# Altium PCB Coral Dev Board Micro.PcbDoc (part 3 of 6) (continued)
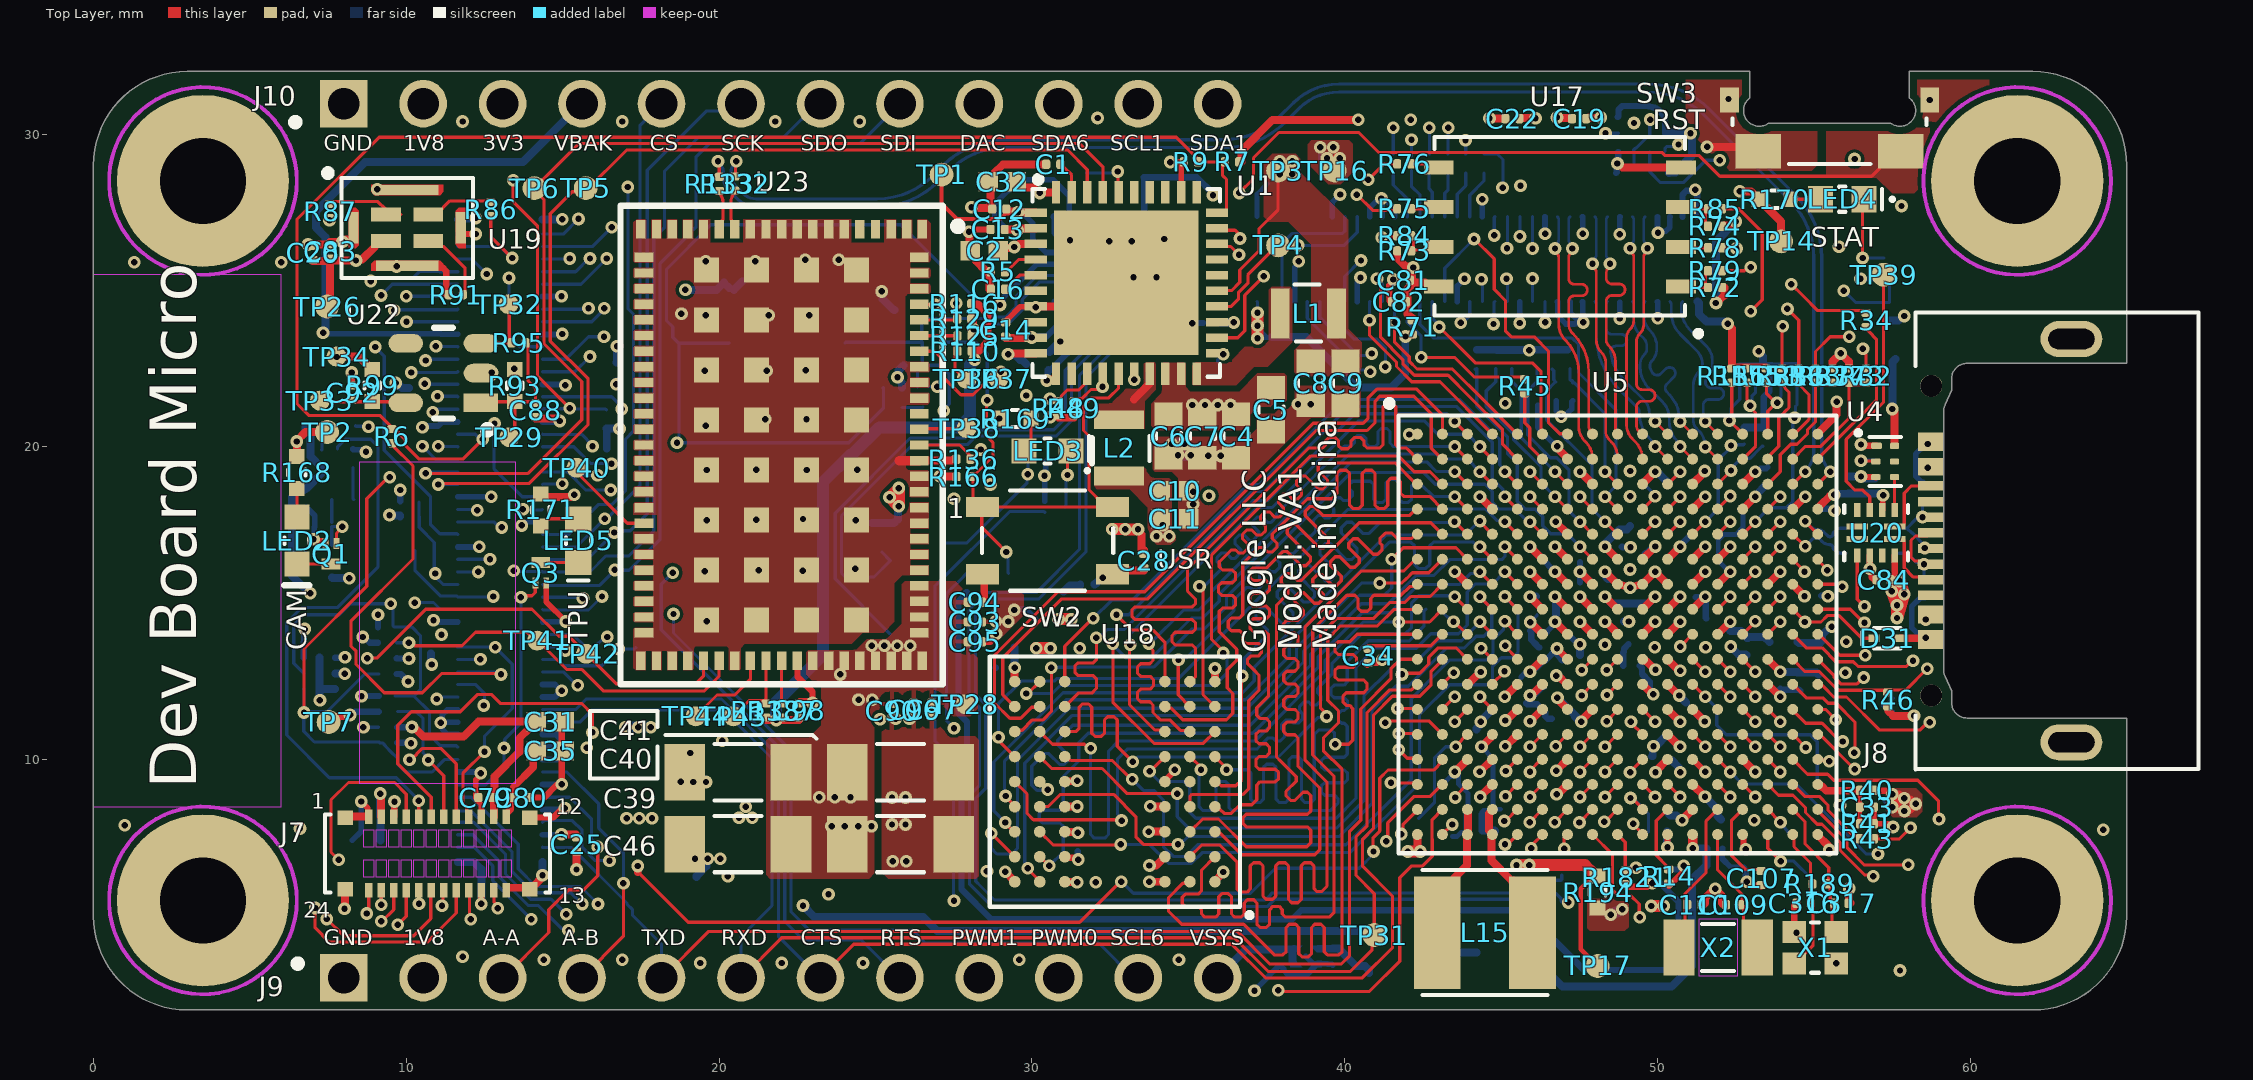
[diagram p0: Top Layer view]
## Nets (pads, with @x,y where several pads share a name; then routed paths per layer and width w, separated by ;. In a path a pad name is that pad's centre, name@x,y a point inside that pad or via, vN(x,y) a via of type N, cw(c..) or ccw(c..) an arc to the next point about the centre after c; other vN are vias at no path point) (continued)
  Bottom Layer w0.102: J5.1@11.645,7.2 12.17,7.2 12.766,6.604 12.766,6.132 v1(13.995,4.902)
FlexSPI_A_CLK: R75.1 U5.G14 | length 26.4
  Top Layer w0.102: v1(40.386,28.062) 40.391,28.062 40.894,27.559 41.551,27.559 R75.1@41.602,27.61 ; U5.G14@52.722,15.608 v1(53.122,16.008)
  L3 w0.102: v1(40.386,28.062) 39.842,27.518 39.842,23.785 40.264,23.363 41.051,23.363 42.062,22.352 42.516,22.352 42.775,22.611 44.269,22.611 44.457,22.423 50.446,22.423 51.911,20.958 51.911,19.189 51.91,19.188 51.91,17.419 52.133,17.196 53.273,17.196 53.503,16.966 53.503,16.389 v1(53.122,16.008)
FlexSPI_A_D0: R76.1 U5.F15 | length 25.1
  Top Layer w0.102: v1(40.754,28.537) 41.262,29.045 R76.1@41.602,29.045 ; U5.F15@53.522,16.408 v1(53.922,16.808)
  L3 w0.102: v1(40.754,28.537) 40.767,28.524 40.767,27.61 40.147,26.99 40.147,24.064 40.543,23.668 41.178,23.668 41.757,23.089 42.093,23.089 42.22,23.216 42.647,23.216 42.926,22.936 44.425,22.936 44.628,22.733 50.952,22.733 52.756,20.93 52.756,18.212 52.959,18.009 53.224,18.009 53.478,17.755 53.478,17.439 53.864,17.053 53.864,16.866 v1(53.922,16.808)
FlexSPI_A_D1: R78.1 U5.H15 | length 15.9
  Top Layer w0.102: R78.1@52.137,26.365 52.149,26.352 52.514,26.352 v1(52.527,26.34) ; U5.H15@53.522,14.808 v1(53.922,15.208)
  L3 w0.102: v1(52.527,26.34) 53.721,26.34 54.737,25.324 54.737,23.027 56.083,21.681 56.083,20.979 55.895,20.79 55.895,18.855 56.017,18.733 56.017,17.324 55.778,17.086 55.778,15.899 55.5,15.621 54.335,15.621 v1(53.922,15.208)
FlexSPI_A_D2: R85.1 U5.H14 | length 16.1
  Top Layer w0.102: R85.1@52.098,27.61 52.598,27.61 53.35,26.858 53.35,24.704 v1(52.979,24.333) ; U5.H14@52.722,14.808 v1(53.122,15.208)
  L3 w0.102: v1(52.979,24.333) 52.979,23.841 54.94,21.88 54.94,20.698 53.924,19.682 53.924,18.909 54.331,18.502 54.331,15.914 54.012,15.596 53.51,15.596 v1(53.122,15.208)
FlexSPI_A_D3: R84.1 U5.F16 | length 25.2
  Top Layer w0.102: v1(41.187,26.689) 41.216,26.718 41.574,26.718 R84.1@41.602,26.746 ; U5.F16@54.322,16.408 54.322,16.398 54.699,16.021 v1(54.699,16.01)
  L3 w0.102: v1(41.187,26.689) 42.704,26.689 43.383,26.01 43.383,25.316 43.721,24.978 49.988,24.978 50.603,25.593 52.28,25.593 53.442,24.432 53.442,23.666 55.143,21.965 55.143,20.614 54.331,19.801 54.331,19.025 54.508,18.847 54.786,18.847 55.08,18.553 55.08,16.391 v1(54.699,16.01)
FlexSPI_A_SS0: R79.1 U5.F17 | length 12.4
  Top Layer w0.102: R79.1@52.137,25.629 52.78,25.629 52.897,25.745 v1(52.979,25.745) ; U5.F17@55.122,16.408 55.122,16.381 55.423,16.08 v1(55.423,16.053)
  L3 w0.102: v1(52.979,25.745) 53.884,24.841 54.224,24.841 54.534,24.531 54.534,22.861 55.347,22.049 55.347,20.53 55.166,20.35 55.166,18.754 55.283,18.637 55.283,17.768 55.423,17.628 v1(55.423,16.053)
GND: C1.1 C2.2 C3.2 C4.2 C5.2 C6.2 C7.2 C8.2 C9.2 C10.2 C11.2 C12.2 C13.2 C14.2 C15.2 C16.2 C17.2 C18.2 C19.2 C20.2 C21.2 C22.2 C23.2 C24.2 C25.2 C26.2 C27.2 C28.2 C29.2 C30.2 C31.2 C32.2 C33.2 C34.2 C35.2 C36.2 C37.2 C38.2 C39.2 C40.2 C41.2 C42.2 C43.2 C44.2 C45.2 C46.2 C57.2 C61.2 C62.2 C63.2 C67.2 C74.2 C79.2 C80.2 C81.2 C82.2 C83.2 C84.2 C85.2 C87.2 C88.2 C90.2 C91.2 C92.2 C93.2 C94.2 C95.2 C96.2 C97.2 C98.2 C102.2 C107.2 C109.2 C110.2 C115.2 C117.2 C118.2 C119.2 C124.2 C136.2 C138.2 C223.2 C224.2 C233.2 C234.2 C235.2 C239.2 C241.2 C242.2 C244.2 C245.2 C251.2 C252.2 C254.2 C256.2 C257.2 C258.2 C260.2 C261.2 C264.2 C265.2 C266.2 C267.2 C268.2 C269.2 C270.2 C272.2 C273.2 C276.2 C277.2 C279.2 C280.2 C285.2 C286.2 C287.2 C290.2 C293.2 C294.2 C296.2 C297.2 C300.2 C302.2 C303.2 C304.2 C305.2 C316.1 C317.2 C327.2 C345.2 C347.2 C348.2 D31.A ESD1.1 ESD2.1 J5.4 J5.8 J5.12 J5.13 J5.16 J5.18 J5.19 J5.20 J5.21 J5.23 J5.26 J5.28 J5.37 J5.38 J5.49 J5.54 J5.57 J5.69 J5.70 J5.76 J5.84 J5.90 J5.99 J5.MH1 J5.MH2 J5.MH3 J5.MH4 J6.7 J6.9 J6.11 J6.15 J6.17 J6.38 J6.43 J6.48 J6.49 J6.51 J6.53 J6.64 J6.67 J6.74 J6.77 J6.80 J6.82 J6.83 J6.84 J6.89 J6.90 J6.95 J6.96 J6.97 J6.99 J6.MH1 J6.MH2 J6.MH3 J6.MH4 J7.1 J7.3 J7.10 J7.13 J7.15 J7.MH1 J7.MH2 J7.MH3 J7.MH4 J8.1 J8.12 J8.SH1 J8.SH2 J9.1 J10.1 Q1.2 Q2.2 Q3.2 Q4.2 Q10.2 R5.1 R9.1 R11.1 R14.2 R17.1 R27.1 R38.1 R39.1 R41.1 R91.1 R125.1 R129.1 R135.1 R136.1 R151.2 R152.2 R153.2 R154.2 R155.2 R156.2 R157.2 R158.2 R159.2 R160.2 R161.2 R162.2 R163.1 R164.1 R398.1 SW1.3 SW1.6 SW2.3 SW2.4 SW3.2 SW3.SH U1.7 U1.32 U1.41 U2.2 U2.5 U3.3 U4.3 U5.A1 U5.A17 U5.B7 U5.C8 U5.C10 U5.C12 U5.C14 U5.D4 U5.F11 U5.F12 U5.F13 U5.G3 U5.G7 U5.G8 U5.G9 U5.G10 U5.G11 U5.G15 U5.H7 U5.H11 U5.J7 U5.J11 U5.K6 U5.K7 U5.K11 U5.L3 U5.L6 U5.L10 U5.L11 U5.L15 U5.P4 U5.P14 U5.R4 U5.R7 U5.T12 U5.U1 U5.U17 U6.A1 U6.A2 U6.C2 U10.4 U13.4 U14.4 U17.4 U18.A1 U18.A3 U18.B7 U18.C3 U18.D7 U18.E3 U18.J1 U19.5 U19.6 U19.7 U19.8 U20.10 U21.2 U21.5 U22.2 U23.1 U23.2 U23.3 U23.6 U23.7 U23.8 U23.9 U23.10 U23.11 U23.12 U23.15 U23.16 U23.17 U23.18 U23.19 U23.20 U23.21 U23.22 U23.23 U23.24 U23.25 U23.26 U23.27 U23.28 U23.29 U23.30 U23.31 U23.32 U23.33 U23.34 U23.35 U23.36 U23.38 U23.39 U23.40 U23.41 U23.42 U23.43 U23.44 U23.45 U23.46 U23.47 U23.48 U23.51 U23.55 U23.68 U23.69 U23.70 U23.71 U23.72 U23.73 U23.74 U23.75 U23.79 U23.80 U23.81 U23.86 U23.87 U23.88 U23.89 U23.90 U23.91 U23.92 U23.93 U23.94 U23.95 U23.96 U23.97 U23.98 U23.99 U23.100 U23.101 U23.102 U23.103 U23.104 U23.105 U23.106 U23.107 U23.108 U23.109 U23.110 U23.111 U23.112 U23.113 U23.114 U23.115 U23.116 U23.117 U23.118 U23.119 U23.120 X1.2 X1.4 | length 209.7
  Top Layer w0.178: v1(7.036,17.043) 7.098,17.043 7.149,16.992 7.413,16.992 7.42,16.986 Q1.2@7.42,16.906 ; v1(8.56,8.661) 8.769,8.452 8.769,8.214 8.793,8.191 J7.1@8.779,8.177 ; C79.2@12.227,8.788 12.227,9.356 12.38,9.509 v1(12.38,9.571) ; C79.2@12.287,8.677 12.4,8.564 J7.10@12.4,8.175 ; v1@13.691,17.426 v1(13.691,17.488) ; Q3.2@14.475,15.652 14.475,15.044 v1(15.102,14.417) ; 25.717,19.571 25.743,19.571 25.755,19.558 ; C14.2@29.159,24.019 29.189,24.019 29.23,24.06 29.23,24.09 29.619,24.479 30.084,24.479 U1.7@30.095,24.49 ; v1(34.422,29.103) v1@34.427,29.098 ; v1@34.466,29.06 v1@34.427,29.098 ; U1.32@34.77,28.14 34.776,28.146 34.776,29.102 34.78,29.106 34.435,29.106 v1@34.427,29.098 ; U5.L3@43.922,12.408 U5.L3@43.938,12.408 ; v1@44.332,12.802 v1(44.348,12.802) ; v1(52.27,31.118) 52.293,31.095 SW3.SH@52.3,31.095 ; R156.2@52.375,22.576 R153.2@53.48,22.576 ; R41.1@56.918,7.95 56.921,7.954 56.921,8.48 C33.2@56.918,8.484 ; R41.1@56.993,7.95 57.368,7.95 57.469,7.849 v1(57.531,7.849) ; v1(58.643,20.091) J8.12@58.643,20.187 ; v1(58.699,31.09) SW3.SH@58.7,31.095
  Top Layer w0.19: v1(14.961,7.615) v1@14.973,7.602 ; C25.2@15.431,7.602 C25.2@15.443,7.59
  Top Layer w0.203: v1(8.255,22.377) 8.261,22.371 8.261,22.009 C92.2@8.268,22.003 ; J7.3@9.6,8.175 9.612,8.187 9.612,8.647 v1(9.624,8.659) ; U19.8@10.5,25.787 10.554,25.734 11.163,25.734 11.282,25.615 R91.1@11.282,24.867 ; U19.7@11.743,27 11.743,26.863 11.803,26.802 v1(12.223,26.802) ; U22.2@12.383,22.358 12.719,22.358 v1(12.738,22.377) ; v1@12.4,5.389 J7.15@12.4,5.8 ; J7.MH4@13.95,8.145 13.953,8.148 14.697,8.148 14.956,8.407 15.034,8.407 v1(15.071,8.444) ; C80.2@13.965,8.788 14.407,8.788 14.795,9.176 14.927,9.176 v1(14.966,9.215) 14.966,11.126 C31.2@15.053,11.214 ; U23.55@22.5,13.158 22.509,13.15 22.509,12.653 22.987,12.175 v1(22.987,11.811) ; v1(26.086,11.303) C96.2@26.216,11.303 ; C96.2@26.216,11.376 C96.2@26.223,11.368 ; C97.2@26.787,11.368 C97.2@26.794,11.376 ; v1@28.02,26.847 28.085,26.912 28.161,26.912 28.198,26.949 C13.2@28.632,26.949 ; R129.1@28.138,24.092 28.141,24.089 28.141,23.751 28.145,23.747 28.145,23.547 R125.1@28.146,23.546 ; C95.2@28.402,13.767 28.677,13.767 28.677,13.788 28.854,13.966 v1(28.854,14.021) ; v1@29.223,14.389 v1(29.248,14.414) ; U18.B7@31.052,6.897 31.084,6.865 31.368,6.865 31.428,6.805 v1(31.483,6.805) ; U18.E3@34.252,9.297 34.252,9.328 34.569,9.646 v1(34.569,9.677) ; C34.2@40.719,13.03 40.777,13.088 41.024,13.088 41.09,13.154 41.165,13.154 v1(41.204,13.193) ; C82.2@41.462,24.638 41.434,24.666 41.434,24.809 41.427,24.815 41.427,25.162 41.554,25.289 v1(41.554,25.349) ; v1(46.787,13.553) 47.122,13.218 U5.K7@47.122,13.208 ; R14.2@50.355,5.969 50.38,5.969 50.8,6.388 ; v1(52.857,6.096) 52.912,6.096 53.036,5.973 53.288,5.973 C107.2@53.316,5.944 ; X1.4@54.367,4.488 C316.1@54.366,5.41 ; X1.4@54.47,4.508 54.491,4.488 54.494,4.488 X1.4@54.493,4.489 ; v1(55.717,3.488) X1.2@55.844,3.488 ; v1(56.504,19.05) 56.52,19.034 56.975,19.034 U4.3@56.977,19.033 ; U20.10@56.785,16.525 56.787,16.523 56.787,16.111 v1(56.794,16.104) 56.794,16.049 56.853,15.99 56.853,15.821 C84.2@56.926,15.748
  Top Layer w0.254: v1(6.858,26.467) 6.862,26.47 C83.2@7.414,26.47 ; C83.2@7.563,26.546 7.568,26.551 7.958,26.551 v1(7.963,26.556) 8.004,26.556 8.075,26.627 8.281,26.627 8.317,26.662 U19.5@8.317,27 ; v1(8.025,5.231) 8.037,5.243 8.037,5.842 J7.MH1@8.05,5.855 ; J7.MH2@8.05,8.145 8.082,8.177 J7.1@8.779,8.177 ; v1(9.068,28.232) 10.48,28.232 U19.6@10.5,28.212 ; v1(9.69,25.768) 9.643,25.768 9.663,25.787 U19.8@10.5,25.787 ; J7.13@13.217,5.898 J7.MH3@13.967,5.905 ; J7.MH3@13.965,5.855 14.073,5.963 14.324,6.214 14.324,6.272 v1(14.353,6.301) ; C88.2@14.13,20.904 C88.2@14.162,20.904 ; C88.2@14.163,20.904 14.792,20.904 14.869,20.828 v1(14.91,20.828) ; v1@14.973,7.602 C25.2@15.431,7.602 ; U23.110@21.2,24.058 21.2,24.121 U23.110@21.336,24.257 ; C98.2@22.583,11.84 22.958,11.84 v1(22.987,11.811) ; v1(22.758,25.984) 22.758,25.701 U23.90@22.8,25.658 ; U23.109@22.8,24.058 22.8,24.197 U23.109@22.885,24.282 ; U23.68@26.4,16.058 U23.68@26.423,16.035 ; U23.75@26.4,19.558 27.484,19.558 27.513,19.588 R136.1@27.513,19.609 ; v1(27.991,26.873) 28.007,26.857 28.007,26.387 28.206,26.188 28.206,25.946 28.535,25.618 28.608,25.618 28.61,25.616 R5.1@28.61,25.595 ; v1(28.067,27.661) 28.092,27.635 28.346,27.635 28.683,27.635 28.683,28.398 C32.2@28.608,28.473 28.791,28.656 28.791,28.74 29.083,29.032 C1.1@30.413,29.032 ; SW2.3@28.425,15.925 28.476,15.874 28.476,15.215 ; R5.1@28.61,25.523 28.645,25.489 C16.2@28.645,25.036 ; v1(30.124,24.46) 30.124,24.485 U1.7@30.12,24.49 U1.41@32.27,24.49 ; v1(30.911,23.368) 31.148,23.368 U1.41@32.27,24.49 ; U18.D7@31.052,8.497 31.058,8.502 v1(31.452,8.502) v1@31.496,8.458 ; v1(32.262,15.812) 32.278,15.828 32.478,15.828 32.703,16.053 C28.2@33.579,16.053 ; U1.41@33.02,25.24 U1.41@32.27,24.49 ; U1.41@33.274,25.24 32.524,24.49 U1.41@32.27,24.49 ; v1(33.737,7.697) U18.C3@34.252,7.697 ; v1(33.757,6.096) U18.A3@34.256,6.096 ; U18.A3@34.252,6.097 U18.A3@34.255,6.097 ; C6.2@34.379,19.71 34.404,19.736 v1(34.671,19.736) ; v1(35.077,19.736) 35.333,19.736 35.358,19.71 v1(35.636,19.71) ; v1(35.154,18.161) 35.124,18.19 35.124,18.481 C10.2@35.012,18.593 35.153,18.593 35.154,18.592 v1(35.154,18.567) ; U18.A1@35.852,6.097 35.827,6.097 36.119,6.388 v1(36.119,6.407) ; U18.J1@35.852,12.497 v1(35.852,12.916) ; v1(38.506,21.361) 38.52,21.348 C8.2@38.899,21.348 ; C8.2@38.913,21.335 v1(38.913,21.361) ; v1(42.062,20.396) 42.068,20.402 42.316,20.402 U5.A1@42.322,20.408 ; U5.U1@42.322,7.608 42.322,7.198 42.418,7.102 v1(42.418,7.061) ; v1(43.522,16.008) U5.G3@43.922,15.608 ; U5.L3@43.938,12.408 v1@44.332,12.802 ; v1(44.312,9.614) 44.32,9.614 44.714,10.008 U5.P4@44.722,10.008 ; v1(44.322,18.408) U5.D4@44.722,18.008 ; v1(44.336,8.805) 44.336,8.822 U5.R4@44.722,9.208 ; v1(44.628,30.505) 44.634,30.499 45.053,30.499 C22.2@45.06,30.493 ; v1(45.922,12.808) U5.K6@46.322,13.208 ; v1(45.923,12.052) 45.966,12.052 U5.L6@46.322,12.408 ; v1(46.722,14.408) U5.J7@47.122,14.008 ; v1(46.722,15.208) U5.H7@47.122,14.808 ; v1(46.722,16.008) U5.G7@47.122,15.608 ; v1(46.774,8.89) 46.804,8.89 U5.R7@47.122,9.208 ; v1(46.787,30.531) 46.806,30.512 47.174,30.512 C19.2@47.193,30.493 ; v1(46.797,20.015) 46.826,19.986 46.826,19.93 47.122,19.634 U5.B7@47.122,19.608 ; v1(47.522,16.008) U5.G8@47.922,15.608 ; v1(47.522,19.208) U5.C8@47.922,18.808 ; v1(48.322,16.008) U5.G9@48.722,15.608 ; U5.G9@48.717,15.621 48.725,15.618 v1(49.124,15.494) 49.519,15.618 U5.G10@49.53,15.621 ; v1(48.718,29.057) 48.759,29.057 48.886,28.931 U17.4@50.752,28.931 ; U5.L10@49.522,12.408 49.84,12.09 v1(49.86,12.09) ; U5.G10@49.522,15.608 v1(49.922,16.008) U5.G11@50.322,15.608 ; U5.C10@49.522,18.808 v1(49.922,19.208) ; U5.L11@50.322,12.408 50.678,12.052 v1(50.694,12.052) ; U5.K11@50.322,13.208 50.69,12.84 v1(50.724,12.84) ; U5.J11@50.322,14.008 v1(50.722,14.408) ; U5.H11@50.322,14.808 v1(50.722,15.208) ; U5.F11@50.322,16.408 v1(50.722,16.808) ; v1(50.785,8.066) 50.785,8.069 51.104,8.387 U5.T12@51.117,8.387 ; U5.F12@51.122,16.408 v1(51.522,16.808) ; U5.C12@51.122,18.808 51.511,19.197 v1(51.511,19.228) ; C110.2@51.478,5.367 51.526,5.415 51.526,5.577 51.816,5.867 v1(51.841,5.867) 52.065,5.644 52.065,5.415 C109.2@52.113,5.367 ; v1(51.585,29.588) 51.587,29.591 SW3.2@53.141,29.591 ; U5.F13@51.922,16.408 v1(52.322,16.808) ; v1(52.248,23.932) 52.248,23.911 52.375,23.784 R156.2@52.375,22.576 ; U5.P14@52.722,10.008 v1(53.122,9.608) ; U5.C14@52.722,18.808 v1(53.122,19.208) ; U5.L15@53.522,12.408 v1(53.922,12.008) ; U5.G15@53.522,15.608 v1(53.922,16.008) ; U5.U17@55.122,7.608 55.122,7.582 55.465,7.239 55.465,7.141 v1(55.494,7.112) ; U5.A17@55.122,20.408 55.122,20.43 55.728,21.036 v1(55.728,21.438) ; v1(56.132,5.878) 56.127,5.873 56.127,5.458 C317.2@56.175,5.41 ; D31.A@57.761,13.881 58.56,13.881 v1(58.572,13.894)
  Top Layer w0.305: 25.755,19.558 U23.75@26.4,19.558
  Top Layer w0.381: v1(42.012,7.061) v1(42.418,7.061) ; v1(49.797,5.321) 49.802,5.326 v1@50.144,5.326
  L4 w0.381: v1(18.771,9.296) 19.177,9.29 v1(19.583,9.284) ; v1(19.228,6.833) v1(19.634,6.833) v1(20.041,6.833) ; 23.724,6.756 23.19,6.223 22.733,6.223 23.266,6.756 v1(25.984,6.756) ; v1(20.637,8.141) v1(21.057,8.141) 20.953,8.321 v1(20.853,8.496) 20.75,8.327 v1(20.637,8.141)
  L3 w0.254: v1(28.842,14.427) 29.136,14.603 v1(29.439,14.783) ; v1(28.854,14.021) v1(29.248,14.414)
  L3 w0.381: v1(18.771,9.296) 19.177,9.29 v1(19.583,9.284) ; v1(19.228,6.833) v1(19.634,6.833) v1(20.041,6.833) ; v1(28.854,14.021) v1(28.842,14.427) v1(29.248,14.414) v1(29.439,14.783) ; v1(35.154,18.161) v1(35.154,18.567) ; v1(35.636,19.71) v1(36.043,19.71) ; v1(38.506,21.361) v1(38.913,21.361) ; v1(42.012,7.061) v1(42.418,7.061) ; v1(49.797,5.321) v1(50.203,5.321) ; v1(20.637,8.141) v1(21.057,8.141) 20.953,8.321 v1(20.853,8.496) 20.75,8.327 v1(20.637,8.141) ; v1(34.468,20.091) v1(34.874,20.091) 34.977,19.911 v1(35.077,19.736) v1(34.671,19.736) 34.568,19.916 v1(34.468,20.091)
  L6 w0.254: v1@28.804,14.453 28.823,14.463 29.138,14.626 v1(29.439,14.783) ; v1@28.842,13.983 28.842,14.008 v1(28.854,14.021) v1(29.248,14.414)
  L6 w0.381: v1(18.771,9.296) 19.177,9.29 v1(19.583,9.284) ; v1(19.228,6.833) v1(19.634,6.833) v1(20.041,6.833) ; v1(25.146,11.29) 25.151,11.295 25.629,11.295 25.637,11.303 v1(25.644,11.303) v1(26.086,11.303) ; v1(28.854,14.021) v1(28.842,14.427) v1(29.248,14.414) v1(29.439,14.783) ; v1(35.154,18.161) v1(35.154,18.567) ; v1(35.636,19.71) v1(36.043,19.71) ; v1(38.506,21.361) v1(38.913,21.361) ; v1(42.012,7.061) v1(42.418,7.061) ; v1(49.797,5.321) v1(50.203,5.321) ; v1(34.468,20.091) v1(34.874,20.091) ; v1(34.468,20.091) v1@34.473,20.083 ; v1(34.468,20.091) 34.473,20.087 v1@34.473,20.083 ; v1@34.473,20.083 34.568,19.916 34.662,19.752 v1(34.671,19.736) v1(35.077,19.736) ; v1(34.874,20.091) v1@34.879,20.083 ; v1(34.874,20.091) 34.879,20.087 v1@34.879,20.083 ; v1@34.879,20.083 34.977,19.911 v1@35.068,19.752 ; v1@34.879,20.083 34.879,19.941 v1@35.068,19.752 ; v1@35.068,19.752 35.077,19.743 v1(35.077,19.736) ; v1@35.068,19.752 v1(35.077,19.736) ; v1(20.637,8.141) v1(21.057,8.141) 20.953,8.321 v1(20.853,8.496) 20.75,8.327 v1(20.637,8.141)
  L5 w0.381: v1(18.771,9.296) 19.564,9.296 19.577,9.284 v1(19.583,9.284) ; v1(38.506,21.361) v1(38.913,21.361) ; v1(49.797,5.321) v1(50.203,5.321) ; v1@28.847,14.422 29.233,14.422 29.241,14.414 v1(29.248,14.414) ; v1@28.847,14.422 28.847,14.036 28.854,14.028 v1(28.854,14.021) v1(29.248,14.414) ; v1@28.847,14.422 v1(28.842,14.427) 29.136,14.603 v1(29.439,14.783) ; v1(29.248,14.414) v1@29.253,14.424 ; v1(29.248,14.414) 29.253,14.419 v1@29.253,14.424 ; v1@29.253,14.424 v1@29.431,14.769 ; v1@29.253,14.424 29.253,14.59 v1@29.431,14.769 ; v1@29.431,14.769 v1(29.439,14.783) ; v1@29.431,14.769 29.439,14.776 v1(29.439,14.783)
  Bottom Layer w0.076: Q4.2@26.69,21.92 v1(26.975,21.92) ; v1(29.82,21.641) C3.2@29.82,21.699 ; C252.2@56.109,19.044 C252.2@56.115,19.05
  Bottom Layer w0.178: C37.2@6.782,18.069 6.807,18.069 7.08,17.796 7.08,17.45 7.058,17.428 7.058,17.066 v1(7.036,17.043) ; C29.2@8.269,7.417 8.565,7.712 8.565,8.204 8.562,8.207 8.562,8.659 v1(8.56,8.661) ; U3.3@8.298,19.934 8.298,19.924 8.309,19.913 8.574,19.913 8.65,19.837 v1(8.712,19.837) ; v1(10.871,14.453) 10.933,14.453 10.986,14.4 11.639,14.4 J5.37@11.642,14.403 ; v1(11.1,11.176) 11.144,11.132 11.144,10.98 11.317,10.806 11.639,10.806 J5.19@11.645,10.8 ; J5.21@11.645,11.2 11.639,11.194 11.118,11.194 11.144,11.22 11.144,11.423 11.314,11.594 11.639,11.594 J5.23@11.645,11.6 ; J5.57@11.645,18.4 12.653,18.4 12.713,18.34 v1(12.713,18.402) ; v1(13.691,17.488) 13.752,17.488 13.864,17.599 J5.54@14.354,17.599 ; J5.38@14.356,14.401 14.361,14.406 15.092,14.406 v1(15.102,14.417) ; Q2.2@30.409,18.26 30.406,18.262 30.406,19.073 v1(30.404,19.075) 30.444,19.115 30.444,19.522 R39.1@30.48,19.558 ; C15.2@30.531,23.028 C15.2@30.561,23.028 ; v1@30.9,23.368 v1(30.911,23.368) ; v1@32.398,26.654 32.398,27.353 J6.7@32.4,27.355 ; v1(32.474,26.568) 32.525,26.568 32.8,26.844 J6.9@32.8,27.355 ; J6.15@34,27.355 33.998,27.353 33.998,26.863 34.152,26.709 v1@34.227,26.709 ; v1@34.227,26.687 v1(34.227,26.645) 34.404,26.822 34.404,27.351 J6.17@34.4,27.355 ; v1(35.128,23.952) 35.135,23.959 35.474,23.959 C17.2@35.481,23.965 ; v1(37.116,2.616) 37.521,3.021 37.521,3.032 37.892,3.404 37.952,3.404 38.044,3.311 38.044,3.269 38.189,3.124 38.786,3.124 U2.2@39.13,3.468 ; J6.38@38.4,24.645 38.4,25.74 38.532,25.872 v1(38.532,25.933) ; U2.5@38.76,3.708 39,3.468 U2.2@39.13,3.468 ; U2.2@39.14,3.468 U2.2@39.13,3.468 ; J6.43@39.6,27.355 39.606,27.361 39.606,27.821 v1(39.853,28.067) ; C21.2@39.624,3.422 39.583,3.464 39.454,3.464 39.449,3.468 U2.2@39.13,3.468 ; J6.48@40.4,24.645 40.4,25.245 40.503,25.348 v1(40.503,25.41) ; J6.49@40.8,27.355 40.806,27.361 40.806,27.649 41.053,27.896 41.13,27.896 v1(41.173,27.94) ; J6.51@41.2,27.355 41.2,27.914 v1(41.173,27.94) ; v1(41.554,25.349) v1@41.554,25.411 ; J6.53@41.6,27.355 41.594,27.361 41.594,27.596 41.562,27.628 41.562,27.641 41.306,27.896 41.217,27.896 v1(41.173,27.94) ; J6.64@43.6,24.645 43.6,25.147 v1(43.828,25.375) ; J6.67@44.4,27.355 v1(44.4,27.914) ; v1(45.598,23.957) J6.74@45.599,24.644 ; C102.2@45.64,12.64 v1@45.764,12.764 ; 46.167,21.333 46.167,20.625 46.777,20.015 v1(46.797,20.015) ; J6.77@46.4,27.355 46.403,27.352 46.403,26.813 v1(46.406,26.81) ; C265.2@46.473,14.072 46.473,14.102 46.722,14.351 v1(46.722,14.408) ; v1(46.722,15.208) C235.2@46.757,15.173 ; C345.2@46.752,14.63 C345.2@46.757,14.635 ; R159.2@46.761,21.473 46.761,21.156 46.861,21.056 46.861,21.023 v1(46.919,20.965) 46.963,21.009 47.054,21.009 47.253,21.208 47.253,21.437 47.285,21.468 R162.2@47.285,21.473 ; J6.80@46.8,24.645 46.806,24.639 46.806,24.192 47.071,23.927 47.333,23.927 47.34,23.934 v1@47.567,23.934 ; J6.82@47.2,24.645 47.206,24.639 47.206,24.295 v1@47.567,23.934 ; v1@47.574,23.927 v1@47.567,23.934 ; J6.84@47.6,24.645 47.606,24.639 47.606,23.996 v1(47.625,23.978) ; J6.83@47.6,27.355 47.603,27.352 47.603,26.813 v1(47.606,26.81) ; v1@47.625,23.916 v1(47.625,23.978) ; v1(48.793,24.105) 48.797,24.108 48.797,24.623 J6.90@48.794,24.626 ; v1(48.793,26.797) 48.797,26.8 48.797,27.352 J6.89@48.8,27.355 ; J6.96@50,24.645 50.003,24.642 50.003,24.114 v1(50.006,24.111) ; J6.95@50,27.355 50,26.863 v1(50.014,26.849) 50.053,26.887 50.262,26.887 50.393,27.019 50.393,27.348 J6.97@50.4,27.355 ; C302.2@52.077,7.163 52.077,7.098 52.07,7.092 52.07,6.833 52.349,6.553 52.753,6.553 C305.2@52.768,6.537 ; v1(53.122,19.208) 53.184,19.208 53.283,19.307 53.481,19.307 C242.2@53.522,19.348 ; v1(56.49,25.375) Q10.2@57.054,25.375 ; ESD1.1@58.496,18.861 58.451,18.861 58.249,19.063 58.249,19.766 58.53,20.048 58.537,20.048 v1@58.643,20.153 ; C85.2@58.511,13.899 58.425,13.985 58.355,13.985 58.121,14.219 58.121,14.895 58.4,15.174 ESD2.1@58.547,15.174 ; v1@47.567,23.934 47.581,23.934 v1(47.625,23.978)
  Bottom Layer w0.19: v1(10.516,20.625) 10.554,20.664 11.016,20.664 11.15,20.798 11.352,20.798 11.354,20.8 J5.69@11.645,20.8 ; J5.13@11.645,9.6 12.351,9.6 v1(12.38,9.571) ; J5.99@11.645,26.8 v1@12.22,26.8 ; J5.49@11.646,16.801 v1(12.332,16.802) ; J5.4@14.355,7.6 14.946,7.6 v1(14.961,7.615) ; J5.8@14.355,8.4 15.027,8.4 v1(15.071,8.444) ; J5.12@14.355,9.2 v1@14.951,9.2 ; J5.16@14.355,10 14.825,10 14.99,10.165 v1@14.99,10.342 ; J5.18@14.355,10.4 14.932,10.4 v1@14.99,10.342 ; J5.20@14.355,10.8 14.798,10.8 14.99,10.608 14.99,10.359 14.999,10.351 v1@14.99,10.342 ; J5.26@14.355,12 14.743,12 v1@14.948,12.205 ; J5.28@14.355,12.4 14.753,12.4 v1@14.948,12.205 ; J5.70@14.355,20.8 14.882,20.8 v1(14.91,20.828) ; J5.76@14.355,22 14.362,21.993 15.065,21.993 v1(15.088,21.971) ; J5.84@14.355,23.6 J5.84@14.355,23.6 14.975,23.598 v1(14.986,23.609) ; J5.90@14.355,24.8 14.945,24.8 v1(14.961,24.816) ; v1(14.973,12.205) v1@14.948,12.205
  Bottom Layer w0.203: U6.A2@6.722,13.259 U6.A1@6.722,13.759 6.731,13.768 6.731,14.148 v1(6.756,14.173) ; U6.C2@7.722,13.259 7.726,13.255 v1@7.933,13.255 ; v1(8.57,12.024) 8.58,12.035 9.114,12.035 U13.4@9.116,12.036 ; v1(9.094,14.629) 9.096,14.627 9.096,14.239 U10.4@9.098,14.237 ; R38.1@9.804,18.263 v1(9.804,18.618) ; v1@12.22,26.8 v1(12.223,26.802) ; v1(12.332,16.802) v1(12.332,16.802) ; v1@14.951,9.2 v1(14.966,9.215) ; v1(28.562,6.43) 28.562,6.409 C223.2@28.584,6.387 ; C303.2@28.85,12.94 C303.2@28.851,12.941 ; v1(29.439,14.783) 29.464,14.808 29.8,14.808 C297.2@30.116,14.493 ; v1(30.124,24.46) 30.652,24.46 30.725,24.534 J6.MH2@30.725,24.645 ; C267.2@31.471,7.066 31.464,7.06 31.464,6.789 31.483,6.789 v1(31.483,6.805) ; v1(32.042,6.083) 32.05,6.083 C268.2@32.063,6.096 ; v1(33.198,26.568) 33.2,26.57 J6.11@33.2,27.355 ; C279.2@45.795,11.808 45.831,11.772 46.159,11.772 46.414,11.518 46.414,11.391 46.495,11.31 C138.2@46.622,11.31 ; v1(45.923,12.052) 45.962,12.091 46.093,12.091 46.334,12.332 C124.2@46.367,12.332 ; C241.2@46.208,13.059 C241.2@46.228,13.059 46.248,13.059 46.365,13.176 46.424,13.176 46.787,13.539 v1(46.787,13.553) 46.826,13.515 46.826,13.318 46.916,13.227 46.916,13.207 46.945,13.179 C273.2@46.965,13.179 ; C327.2@46.292,16.433 46.295,16.433 v1(46.722,16.008) v1(46.722,16.008) ; C266.2@47.14,13.982 47.173,13.982 47.372,13.783 47.376,13.783 47.468,13.691 v1(47.523,13.691) ; C67.2@47.523,15.668 R158.2@47.523,16.31 ; C74.2@48.214,13.727 48.294,13.727 48.323,13.698 v1(48.323,13.678) ; R27.1@48.671,28.753 48.695,28.776 48.695,29.034 48.741,29.08 48.741,29.424 U14.4@48.743,29.426 ; C119.2@48.862,16.808 48.869,16.815 48.894,16.789 v1(49.136,16.789) ; v1(49.124,15.494) C261.2@49.124,15.565 ; C269.2@49.428,13.005 49.502,12.931 49.502,12.738 49.746,12.493 49.746,12.204 v1(49.86,12.09) ; C293.2@50.33,6.458 50.358,6.486 50.661,6.486 50.784,6.609 v1(50.839,6.609) ; v1(50.722,16.808) 50.722,16.844 51.09,17.212 R152.2@51.121,17.212 ; J6.99@50.8,27.355 50.8,28.062 50.919,28.181 51.168,28.181 v1(51.206,28.219) 51.245,28.181 51.245,28.126 51.275,28.096 J6.MH3@51.275,27.355 ; C305.2@52.745,6.537 52.819,6.464 52.819,6.135 v1(52.857,6.096) ; C117.2@53.922,12.268 C117.2@53.95,12.24 ; C117.2@53.925,12.24 C348.2@54.496,12.24 ; C348.2@54.521,12.24 C348.2@54.559,12.202 ; C251.2@55.104,18.026 55.144,18.026 55.165,18.047 55.186,18.026 55.538,18.026 55.606,17.958 v1(55.661,17.958) ; C347.2@55.239,15.24 55.248,15.231 55.438,15.231 v1(55.447,15.221)
  Bottom Layer w0.254: R11.1@7.62,15.828 7.634,15.813 8.164,15.813 v1(8.179,15.799) ; J5.MH1@11.645,6.725 11.649,6.721 12.177,6.721 12.399,6.499 v1(12.399,5.389) ; J5.MH3@11.653,27.267 11.683,27.296 12.196,27.296 v1(12.217,27.318) ; J5.MH2@14.355,6.725 14.354,6.724 v1(14.353,6.301) ; J5.MH4@14.355,27.275 J5.MH4@14.355,27.275 14.919,27.274 14.95,27.242 v1@14.95,27.233 ; C24.2@16.726,22.69 16.732,22.696 16.732,23.209 v1(16.739,23.216) ; C45.2@19.069,10.204 v1(19.075,10.211) ; 19.274,6.248 19.274,6.273 19.605,6.605 v1@19.605,6.803 ; v1(25.2,24.968) 25.229,24.939 25.229,24.729 25.591,24.368 R164.1@25.603,24.368 ; v1@28.655,18.817 v1(28.677,18.796) ; C15.2@30.561,23.028 v1@30.9,23.368 ; J6.MH1@30.725,27.355 30.757,27.323 30.757,26.851 30.972,26.636 31.187,26.636 v1(31.217,26.607) ; C23.2@31.996,15.596 31.996,15.616 31.999,15.619 32.037,15.619 32.23,15.812 v1(32.262,15.812) ; C287.2@44.209,10.96 44.209,10.992 44.319,11.102 44.319,11.185 v1@44.378,11.243 ; v1(44.348,11.214) 44.348,11.236 44.595,11.483 C277.2@44.595,11.493 ; v1(45.922,12.808) 45.957,12.808 C241.2@46.208,13.059 ; C345.2@46.757,14.635 C235.2@46.757,15.173 ; C57.2@47.522,13.348 v1@47.522,13.689 ; v1(48.322,16.008) 48.351,15.979 48.351,15.855 48.365,15.842 48.365,15.817 48.413,15.769 C260.2@48.438,15.769 ; C62.2@48.925,14.411 49.082,14.411 v1(49.085,14.414) ; C296.2@49.822,10.109 49.845,10.109 49.847,10.112 49.847,10.401 49.902,10.456 49.964,10.456 50.292,10.784 C136.2@50.298,10.784 ; v1(49.922,19.208) 49.963,19.208 50.039,19.132 50.058,19.132 50.259,18.931 50.274,18.931 50.343,18.861 R151.2@50.346,18.861 ; C115.2@50.359,8.28 50.359,8.255 50.407,8.207 50.603,8.207 50.744,8.066 v1(50.785,8.066) 50.785,8.075 51.092,8.381 C300.2@51.092,8.39 ; C276.2@50.444,9.994 50.444,9.99 50.695,9.74 50.695,9.63 v1(50.724,9.601) ; v1@50.694,12.044 50.698,12.044 50.914,11.828 C258.2@50.914,11.824 ; J6.MH4@51.275,24.645 51.323,24.597 51.323,24.242 51.562,24.003 52.135,24.003 52.207,23.932 v1(52.248,23.932) ; C257.2@52.324,13.582 52.327,13.579 52.372,13.579 52.584,13.367 52.815,13.367 C245.2@52.84,13.342 ; C257.2@52.337,13.564 v1(52.337,13.614) ; C252.2@56.115,19.05 v1(56.504,19.05) 56.531,19.05 56.595,18.985 56.945,18.985 R17.1@56.947,18.983 ; C85.2@58.511,13.899 58.568,13.899 v1(58.572,13.894) ; v1(14.353,6.301) v1(14.353,6.301)
  Bottom Layer w0.381: v1(18.771,9.296) 19.558,9.296 v1@19.571,9.309 ; v1(34.468,20.091) v1@34.473,20.087 ; v1(35.154,18.161) v1(35.154,18.567) ; v1(35.636,19.71) v1(36.043,19.71) ; v1(38.506,21.361) v1(38.913,21.361) ; v1@34.473,20.087 34.478,20.091 v1(34.874,20.091) 34.879,20.087 34.879,19.941 35.077,19.743 v1(35.077,19.736) v1(34.671,19.736) 34.671,19.743 34.473,19.941 v1@34.473,20.087
  other v1: 57.75,3.261 19.4,3.5 22,3.5 24.6,3.5 14.4,3.6 16.9,3.6 29.6,3.6 34.7,3.6 11.8,3.7 54.445,4.47 23.5,5.7 20.282,6.274 25.552,6.756 64.25,7.761 6.6,7.8 1,7.9 25.527,7.925 25.959,7.925 25.527,8.788 25.959,8.788 19.177,9.284 15.011,10.363 49.873,10.427 8.039,13.271 19.609,14.427 19.545,16.027 21.273,16.053 22.669,16.04 24.348,16.104 19.6,17.658 24.374,17.658 21.184,17.666 22.682,17.691 27.508,18.339 19.6,19.258 21.184,19.266 22.8,19.258 24.422,19.266 19.571,20.676 21.476,20.879 22.796,20.879 45.131,21.392 19.545,22.428 21.526,22.428 22.771,22.454 28.143,23.749 19.571,24.206 21.59,24.206 22.885,24.206 18.796,24.257 33.249,25.425 33.985,25.425 1.3,25.9 6,25.9 19.571,25.933 21.158,25.933 23.825,25.984 55.8,26.4 14.989,27.272 57.8,27.7 45.618,28.346 56.3,29.2 11.8,30.4 16.9,30.4 21.8,30.4 24.5,30.4 42.113,30.455 32.1,30.511